# Altium PCB bms_afe_tester-1_0.PcbDoc (part 2 of 4)
Units mm, origin at the board's own origin, x right, y up, seen from the top; angles counter-clockwise.
Board outline 400 x 85 mm, 4 copper layers (L1, L2, L3, L4), stack 1.586 mm thick; 576 components, 326 nets, 1526 pads, 396 vias.
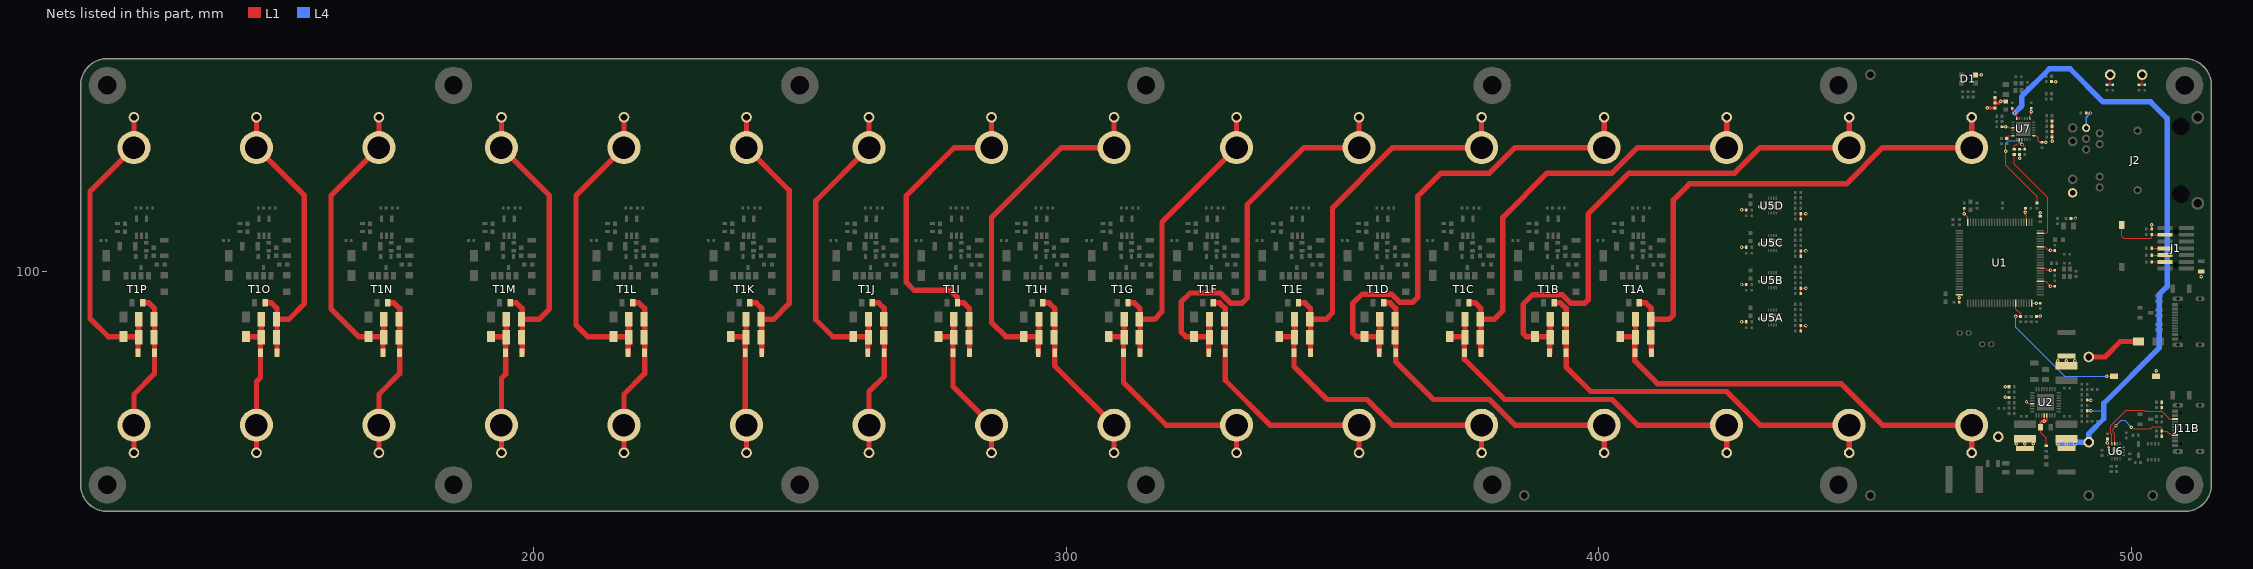
[diagram p4: the nets of this part, all layers, seen from the top]

## Components (designator, comment, footprint, x,y, rotation, side; value= is the part's Value field where it differs from the comment) (continued)
TP13 "RH-5001" TP_RH-5001 378,129 r0 top
TP14 "RH-5000" TP_RH-5000 355,129 r0 top
TP15 "RH-5001" TP_RH-5001 355,66 r0 top
TP16 "RH-5000" TP_RH-5000 332,66 r0 top
TP17 "RH-5001" TP_RH-5001 332,129 r0 top
TP18 "RH-5000" TP_RH-5000 309,129 r0 top
TP19 "RH-5001" TP_RH-5001 309,66 r0 top
TP20 "RH-5000" TP_RH-5000 286,66 r0 top
TP21 "RH-5001" TP_RH-5001 286,129 r0 top
TP22 "RH-5000" TP_RH-5000 263,129 r0 top
TP23 "RH-5001" TP_RH-5001 263,66 r0 top
TP24 "RH-5000" TP_RH-5000 240,66 r0 top
TP25 "RH-5001" TP_RH-5001 240,129 r0 top
TP26 "RH-5000" TP_RH-5000 217,129 r0 top
TP27 "RH-5001" TP_RH-5001 217,66 r0 top
TP28 "RH-5000" TP_RH-5000 194,66 r0 top
TP29 "RH-5001" TP_RH-5001 194,129 r0 top
TP30 "RH-5000" TP_RH-5000 171,129 r0 top
TP31 "RH-5001" TP_RH-5001 171,66 r0 top
TP32 "RH-5000" TP_RH-5000 148,66 r0 top
TP33 "RH-5000" TP_RH-5000 492,84 r0 top
TP34 "RH-5001" TP_RH-5001 148,129 r0 top
TP35 "RH-5000" TP_RH-5000 475,69 r0 top
TP36 "RH-5000" TP_RH-5000 125,129 r0 top
TP37 "RH-5000" TP_RH-5000 492,68 r0 top
TP38 "RH-5001" TP_RH-5001 125,66 r0 top
TP39 "RH-5001" TP_RH-5001 504,58 r0 top
TP41 "RH-5001" TP_RH-5001 451,58 r0 top
TP43 "RH-5001" TP_RH-5001 386,58 r0 top
TP45 "RH-5001" TP_RH-5001 451,137 r0 top
TP62 "" TP_GRABBY 468.6,88.5 r180 top
TP63 "" TP_GRABBY 472.8,86.4 r180 top
U1 "STM32F427VGT6" 100TQFP14 475.3,101.7 r180 top
U2 "TPS65263QRHBRQ1" TI_RHB 483.875,75.5 r0 top
U3A "GP82410" 5SOT23 407.425,108.366 r90 top (schematic designator U3)
U3B "GP82410" 5SOT23 391.425,108.366 r90 top (schematic designator U3)
U3C "GP82410" 5SOT23 375.425,108.366 r90 top (schematic designator U3)
U3D "GP82410" 5SOT23 359.425,108.366 r90 top (schematic designator U3)
U3E "GP82410" 5SOT23 343.425,108.366 r90 top (schematic designator U3)
U3F "GP82410" 5SOT23 327.425,108.366 r90 top (schematic designator U3)
U3G "GP82410" 5SOT23 311.425,108.366 r90 top (schematic designator U3)
U3H "GP82410" 5SOT23 295.425,108.366 r90 top (schematic designator U3)
U3I "GP82410" 5SOT23 279.425,108.366 r90 top (schematic designator U3)
U3J "GP82410" 5SOT23 263.425,108.366 r90 top (schematic designator U3)
U3K "GP82410" 5SOT23 240.425,108.366 r90 top (schematic designator U3)
U3L "GP82410" 5SOT23 218.425,108.366 r90 top (schematic designator U3)
U3M "GP82410" 5SOT23 195.425,108.366 r90 top (schematic designator U3)
U3N "GP82410" 5SOT23 172.425,108.366 r90 top (schematic designator U3)
U3O "GP82410" 5SOT23 149.425,108.366 r90 top (schematic designator U3)
U3P "GP82410" 5SOT23 126.425,108.366 r90 top (schematic designator U3)
U5A "DAC43204RTER" QFN50P300X300X90-16N 432.6,91.4 r90 top (schematic designator U5)
U5B "DAC43204RTER" QFN50P300X300X90-16N 432.6,98.4 r90 top (schematic designator U5)
U5C "DAC43204RTER" QFN50P300X300X90-16N 432.6,105.4 r90 top (schematic designator U5)
U5D "DAC43204RTER" QFN50P300X300X90-16N 432.6,112.4 r90 top (schematic designator U5)
U6 "HUSB238A-BB001-QN16R" QFN50P300X300X90-16N 497.1,66.3 r270 top
U7 "LAN8742AI-CZ-TR" 24QFN4E 479.7,126.8 r270 top
X1 "XTAL_XRCGB25M000F3A00R0" 4_SMD_2.0X1.6MM 487.9,99.8 r270 top
X3 "XTAL_XRCGB25M000F3A00R0" 4_SMD_2.0X1.6MM 478.8,134.7 r270 top

## Footprints (in the part's own frame and the unit in brackets; to place one, negate y for a bottom-side part, rotate by r counter-clockwise, add the part's x,y. Pads: shape width x height; smd on the part's side, far side on the other; paste and mask are expansions set on the pad)
3SOT23 [mm] "SOT23, 3-Leads, Body 3.0x2.6mm (max), Pitch 1.01mm, IPC High Density"
  rect 0.95x0.6 smd: 1(-1.025,0.95) 2(-1.025,-0.95) 3(1.025,0)
  silkscreen extent -1.17,-1.5 0.7,1.73, body extent -1.25,-1.5 1.25,1.5, height 1.01
4_SMD_2.0X1.6MM [mm]
  rect 0.9x0.8 smd: 1(-0.7,-0.55) 2(0.7,-0.55) 3(0.7,0.55) 4(-0.7,0.55)
  silkscreen extent -1.43,-1.13 -1.37,-1.07, body extent -1,-0.8 1,0.8, height 0.4
5SOT23 [mm] "SOT23, 5-Leads, Body 2.9x2.8mm (max), Pitch 0.95mm, IPC High Density"
  rect 1.22x0.62 smd: 1(-1.61,0.95) 2(-1.61,0) 3(-1.61,-0.95) 4(1.61,-0.95) 5(1.61,0.95)
  silkscreen extent -1.27,-1.45 0.76,1.75, body extent -1.5,-1.5 1.5,1.5, height 1.46
24QFN4E [mm] "QFN, 24-Leads, Body 4.1x4.1mm (max), Pitch 0.50mm, IPC High Density"
  oval 0.6x0.25 smd: 1(-1.95,1.25) 2(-1.95,0.75) 3(-1.95,0.25) 4(-1.95,-0.25) 5(-1.95,-0.75) 6(-1.95,-1.25) 13(1.95,-1.25) 14(1.95,-0.75) 15(1.95,-0.25) 16(1.95,0.25) 17(1.95,0.75) 18(1.95,1.25)
  oval 0.25x0.6 smd: 7(-1.25,-1.95) 8(-0.75,-1.95) 9(-0.25,-1.95) 10(0.25,-1.95) 11(0.75,-1.95) 12(1.25,-1.95) 19(1.25,1.95) 20(0.75,1.95) 21(0.25,1.95) 22(-0.25,1.95) 23(-0.75,1.95) 24(-1.25,1.95)
  rect 2.7x2.7 smd: EP(0,0)
  silkscreen extent -2.52,-2.05 2.05,2.05, body extent -2,-2 2,2, height 0.9
100TQFP14 [mm] "TSQFP, 100-Leads, Body 16.0x16.0mm (max), Pitch 0.50mm, IPC High Density"
  oval 1.4x0.25 smd: 1(-7.6,6) 2(-7.6,5.5) 3(-7.6,5) 4(-7.6,4.5) 5(-7.6,4) 6(-7.6,3.5) 7(-7.6,3) 8(-7.6,2.5) 9(-7.6,2) 10(-7.6,1.5) 11(-7.6,1) 12(-7.6,0.5) 13(-7.6,0) 14(-7.6,-0.5) 15(-7.6,-1) 16(-7.6,-1.5) 17(-7.6,-2) 18(-7.6,-2.5) 19(-7.6,-3) 20(-7.6,-3.5) 21(-7.6,-4) 22(-7.6,-4.5) 23(-7.6,-5) 24(-7.6,-5.5) 25(-7.6,-6) 51(7.6,-6) 52(7.6,-5.5) 53(7.6,-5) 54(7.6,-4.5) 55(7.6,-4) 56(7.6,-3.5) 57(7.6,-3) 58(7.6,-2.5) 59(7.6,-2) 60(7.6,-1.5) 61(7.6,-1) 62(7.6,-0.5) 63(7.6,0) 64(7.6,0.5) 65(7.6,1) 66(7.6,1.5) 67(7.6,2) 68(7.6,2.5) 69(7.6,3) 70(7.6,3.5) 71(7.6,4) 72(7.6,4.5) 73(7.6,5) 74(7.6,5.5) 75(7.6,6)
  oval 0.25x1.4 smd: 26(-6,-7.6) 27(-5.5,-7.6) 28(-5,-7.6) 29(-4.5,-7.6) 30(-4,-7.6) 31(-3.5,-7.6) 32(-3,-7.6) 33(-2.5,-7.6) 34(-2,-7.6) 35(-1.5,-7.6) 36(-1,-7.6) 37(-0.5,-7.6) 38(0,-7.6) 39(0.5,-7.6) 40(1,-7.6) 41(1.5,-7.6) 42(2,-7.6) 43(2.5,-7.6) 44(3,-7.6) 45(3.5,-7.6) 46(4,-7.6) 47(4.5,-7.6) 48(5,-7.6) 49(5.5,-7.6) 50(6,-7.6) 76(6,7.6) 77(5.5,7.6) 78(5,7.6) 79(4.5,7.6) 80(4,7.6) 81(3.5,7.6) 82(3,7.6) 83(2.5,7.6) 84(2,7.6) 85(1.5,7.6) 86(1,7.6) 87(0.5,7.6) 88(0,7.6) 89(-0.5,7.6) 90(-1,7.6) 91(-1.5,7.6) 92(-2,7.6) 93(-2.5,7.6) 94(-3,7.6) 95(-3.5,7.6) 96(-4,7.6) 97(-4.5,7.6) 98(-5,7.6) 99(-5.5,7.6) 100(-6,7.6)
  silkscreen extent -7.73,-6.5 6.5,6.8, body extent -8,-8 8,8, height 1.62
BELFUSE_0826-1L1T-57-F [mil]
  rect 0x0 hole 128: 0(-250,0) 0(250,0)
  round 60 hole 35: 1(-200,-600) 2(-120,-600) 5(120,-600) 6(200,-600) 7(-240,-700) 8(-160,-700) 9(-80,-700) 10(-220,-320) 11(220,-320)
  round 70 hole 40: 12(-240,-800) 13(-140,-800) 14(140,-800) 15(240,-800)
  round 94.49 hole 62: SHLD(-317.5,125) SHLD(317.5,125)
  silkscreen extent -318,-799 318,-80, body extent -374,-858 374,457, height 587
C0402 [mm]
  rect 0.5x0.5 smd: 1(-0.5,0) 2(0.5,0)
  silkscreen extent -0.13,-0.25 0.13,0.25, body extent -0.5,-0.25 0.5,0.25, height 0.6
C0603 [mm]
  rect 0.8x0.8 smd: 1(-0.75,0) 2(0.75,0)
  silkscreen extent -0.23,-0.4 0.23,0.4, body extent -0.8,-0.4 0.8,0.4, height 1
C0805 [mm]
  rect 0.9x1.3 smd: 1(-0.95,0) 2(0.95,0)
  silkscreen extent -0.38,-0.63 0.38,0.63, body extent -1,-0.63 1,0.63, height 1.45
C1206 [mm]
  rect 0.9x1.6 smd: 1(-1.55,0) 2(1.55,0)
  silkscreen extent -0.98,-0.8 0.97,0.8, body extent -1.6,-0.8 1.6,0.8, height 1.9
C1812 [mm]
  rect 0.9x3.4 smd: 1(-2.2,0) 2(2.2,0)
  silkscreen extent -1.63,-1.6 1.63,1.6, body extent -2.25,-1.6 2.25,1.6, height 3.5
C2220 [mm]
  rect 1.35x5 smd: 1(-2.825,0) 2(2.825,0)
  silkscreen extent -2.03,-2.5 2.03,2.5, body extent -2.85,-2.5 2.85,2.5, height 2.8
CONN_USBC_TYPE-C-31-M-12 [mm] "USB 2.0 12P USB-C connector"
  oval 0.9x2 hole 0.6 slot 1.7 at 90 deg: 0(-4.325,6.29) 0(4.325,6.29)
  oval 0.9x1.7 hole 0.6 slot 1.4 at 90 deg: 0(-4.325,2.11) 0(4.325,2.11)
  rect 0.6x1.14 smd: A1(-3.2,6.86) A4(-2.4,6.86) B1(3.2,6.86) B4(2.4,6.86)
  rect 0.3x1.14 smd: A5(-1.25,6.86) A6(-0.25,6.86) A7(0.25,6.86) A8(1.25,6.86) B5(1.75,6.86) B6(0.75,6.86) B7(-0.75,6.86) B8(-1.75,6.86)
  round 0 hole 0.6: GP(-2.89,5.79) GP(2.89,5.79)
  silkscreen extent -4.5,3.3 4.5,7.8, body extent -4.47,-0.46 4.47,7.44, height 3.22
DIODES_POWERDI3333-8 [mm]
  rect 0.42x0.7 smd: 1(-0.975,-1.5) 2(-0.325,-1.5) 3(0.325,-1.5) 4(0.975,-1.5) 5(0.975,1.5) 6(0.325,1.5) 7(-0.325,1.5) 8(-0.975,1.5)
  L1 region: -1.185,-0.4 1.185,-0.4 1.185,1.31 -1.185,1.31
  silkscreen extent -1.65,-2.02 1.65,1.65, body extent -1.65,-1.65 1.65,1.65, height 0.82
FB0402 [mm]
  rect 0.55x0.55 smd: 1(-0.45,0) 2(0.45,0)
  silkscreen extent -0.05,-0.28 0.05,0.28, body extent -0.5,-0.25 0.5,0.25, height 0.65
FB0805 [mm]
  rect 0.81x1.4 smd: 1(-0.85,0) 2(0.85,0)
  silkscreen extent -0.33,-0.63 0.32,0.63, body extent -1,-0.63 1,0.63, height 1.1
HOLE_M3 [mm]
  round 7 hole 3.4: 1(0,0)
LED_0603P_YELLOW [mm]
  rect 0.8x0.85 smd: 1(-0.7,0) 2(0.7,0)
  silkscreen extent -1.4,-0.33 0.1,0.33, body extent -0.81,-0.4 0.81,0.4, height 0.6
LED_RGB_SMD3528-4P [mm]
  rect 0.9x0.9 smd mask+0.102: 1(1.35,-0.75) 2(-1.35,-0.75) 3(1.35,0.75) 4(-1.35,0.75)
  silkscreen extent -1.6,-1.6 2.3,1.6, body extent -1.6,-1.6 1.6,1.6, height 1.9
PULSE_PH9585 [mm]
  rect 1.4x1 smd: 1(-2.525,2.1) 2(-2.525,0.7) 3(-2.525,-0.7) 4(-2.525,-2.1) 5(2.525,-1) 6(2.525,1)
  silkscreen extent -3.7,-3.12 3.1,3.12, body extent -3.18,-3.12 3.18,3.12, height 3.66
QFN50P300X300X90-16N [mm]
  rect 0.6x0.25 smd paste+0 mask+0: 1(-1.4,0.75) 2(-1.4,0.25) 3(-1.4,-0.25) 4(-1.4,-0.75) 9(1.4,-0.75) 10(1.4,-0.25) 11(1.4,0.25) 12(1.4,0.75)
  rect 0.25x0.6 smd paste+0 mask+0: 5(-0.75,-1.4) 6(-0.25,-1.4) 7(0.25,-1.4) 8(0.75,-1.4) 13(0.75,1.4) 14(0.25,1.4) 15(-0.25,1.4) 16(-0.75,1.4)
  rect 1.45x1.45 smd paste-1000 mask+0: EP(0,0)
  silkscreen extent -1.9,-1.5 1.5,1.9, body extent -1.5,-1.5 1.5,1.5, height 0.9
R0402 [mm]
  rect 0.5x0.6 smd: 1(-0.5,0) 2(0.5,0)
  silkscreen extent -0.13,-0.25 0.13,0.25, body extent -0.5,-0.25 0.5,0.25, height 0.5
R0603 [mm]
  rect 0.6x0.9 smd: 1(-0.75,0) 2(0.75,0)
  silkscreen extent -0.33,-0.4 0.32,0.4, body extent -0.77,-0.4 0.77,0.4, height 0.75
R0805 [mm]
  rect 0.7x1.3 smd: 1(-0.95,0) 2(0.95,0)
  silkscreen extent -0.48,-0.62 0.48,0.63, body extent -1,-0.63 1,0.63, height 0.75
R1206 [mm]
  rect 0.9x1.6 smd: 1(-1.45,0) 2(1.45,0)
  silkscreen extent -0.88,-0.8 0.87,0.8, body extent -1.55,-0.8 1.55,0.8, height 1
SAMTEC_FTSH-107-01-L-DV-K-A [mil]
  rect 0x0 hole 40 unplated mask+4: 0(-125,0) 0(125,0)
  rect 29x110 smd mask+4: 1(-150,-80) 2(-150,80) 3(-100,-80) 4(-100,80) 5(-50,-80) 6(-50,80) 7(0,-80) 8(0,80) 9(50,-80) 10(50,80) 11(100,-80) 12(100,80) 13(150,-80) 14(150,80)
  silkscreen extent -201,-106 177,59, body extent -175,-115 175,115, height 242
SMA [mm] "Molded Diode, 2-Leads, Body 4.3x2.6mm, IPC High Density"
  rect 2.1x1.45 smd: 1(-1.85,0) 2(1.85,0)
  silkscreen extent -2.3,-1.5 3.07,1.5, body extent -2.6,-1.3 2.6,1.3, height 2.4
SMD-4.1x4.1x2.0 [mm]
  rect 1.4x4.1 smd mask+0.102: 1(-1.35,0) 2(1.35,0)
  silkscreen extent -0.5,-2 0.5,2, body extent -2,-2 2,2, height 2
SMTSO-M2-10ET [mm]
  round 6.2 smd: 1(0,0)
  round 5 hole 4.22: 1(0,0)
  body extent -2.78,-2.76 2.78,2.78, height 10.01
SOD123W [mm]
  rect 1.2x1.4 smd: 1(-1.55,0) 2(1.55,0)
  silkscreen extent -1.4,-0.9 2.4,0.9, body extent -1.91,-0.95 1.91,0.95, height 1.17
SOD323 [mm] "Molded Diode, 2-Leads, Body 1.7x1.3mm, IPC High Density"
  rect 1.06x0.54 smd: 1(1.07,0) 2(-1.07,0)
  silkscreen extent -1.31,-0.75 0.9,0.75, body extent -1.35,-0.67 1.35,0.68, height 0.78
SWITCH_TS-1092S-B3D2-G [mm]
  rect 1.5x1 smd: 1(-3.95,0) 2(3.95,0)
  silkscreen extent -3.05,-1.8 3.05,1.8, body extent -3.95,-1.8 3.95,1.8, height 2.5
TANT_3.5MMX2.8MMX1.9MM [mm] "Molded Capacitor, 2-Leads, Body 3.50x2.80mm, IPC High Density"
  rect 1.35x2.7 smd: 1(-1.425,0) 2(1.425,0)
  silkscreen extent -2.4,-1.4 0.5,1.4, body extent -1.75,-1.4 1.75,1.4, height 1.9
TI_RHB [mm]
  oval 0.85x0.27 smd paste+0 mask+0.05: 1(-2.475,1.75) 2(-2.475,1.25) 3(-2.475,0.75) 4(-2.475,0.25) 5(-2.475,-0.25) 6(-2.475,-0.75) 7(-2.475,-1.25) 8(-2.475,-1.75) 17(2.475,-1.75) 18(2.475,-1.25) 19(2.475,-0.75) 20(2.475,-0.25) 21(2.475,0.25) 22(2.475,0.75) 23(2.475,1.25) 24(2.475,1.75)
  oval 0.27x0.85 smd paste+0 mask+0.05: 9(-1.75,-2.475) 10(-1.25,-2.475) 11(-0.75,-2.475) 12(-0.25,-2.475) 13(0.25,-2.475) 14(0.75,-2.475) 15(1.25,-2.475) 16(1.75,-2.475) 25(1.75,2.475) 26(1.25,2.475) 27(0.75,2.475) 28(0.25,2.475) 29(-0.25,2.475) 30(-0.75,2.475) 31(-1.25,2.475) 32(-1.75,2.475)
  rect 3.15x3.15 smd paste-100 mask+0.05: EP(0,0)
  silkscreen extent -2.7,-2.7 2.7,2.7, body extent -2.65,-2.65 2.66,2.66, height 1
TP_GRABBY [mm]
  rrect100% 1.2x1 hole 0.65 slot 0.9 at 0 deg mask+0.102: 1(-0.856,0) 1(0.844,0)
  silkscreen extent -1.65,-0.69 1.62,0.69
TP_RH-5000 [mm]
  round 2 hole 1.25: 1(0,0)
  silkscreen extent -1.25,-1.25 1.25,1.25, body extent -1.24,-1.25 1.24,1.25, height 4.59
TP_RH-5001 [mm]
  round 2 hole 1.25: 1(0,0)
  silkscreen extent -1.25,-1.25 1.25,1.25, body extent -1.24,-1.25 1.24,1.25, height 4.59
TP_RH-5002 [mm]
  round 2 hole 1.25: 1(0,0)
  silkscreen extent -1.25,-1.25 1.25,1.25, body extent -1.24,-1.25 1.24,1.25, height 4.59

## Part data
C1 C2 C43A C43B C43C C43D: Capacitance=2.2u, Dielectric=X7R, Manufacturer="Murata Electronics", Package=0603, Voltage Rating=6.3V, ComponentLink1Description=Datasheet, ComponentLink1URL=https://wmsc.lcsc.com/wmsc/upload/file/pdf/v2/lcsc/1810311130_Murata-Electronics-GCM188R70J225KE22D_C126582.pdf, Manufacturer Part Number=GCM188R70J225KE22D, Supplier 2=LCSC, Supplier Part Number 2=C126582
C3 C11: Capacitance=10n, Dielectric=X7R, Manufacturer="Samsung Electro-Mechanics", Package=0402, Voltage Rating=50V, ComponentLink1Description=Datasheet, ComponentLink1URL=https://wmsc.lcsc.com/wmsc/upload/file/pdf/v2/lcsc/2304140030_Samsung-Electro-Mechanics-CL05B103KB5NNNC_C15195.pdf, Manufacturer Part Number=CL05B103KB5NNNC, Supplier 2=LCSC, Supplier Part Number 2=C15195
C4 C5 C6 C7 C8 C9 C10 C19 C24 C26 C30 C32 C36 C42A C42B C42C C42D C44 C45 C46 C49 C50 C54A C54B C54C C54D C54E C54F C54G C54H C54I C54J C54K C54L C54M C54N C54O C54P C56: Capacitance=100n, Dielectric=X7R, Manufacturer="Samsung Electro-Mechanics", Package=0402, Voltage Rating=50V, ComponentLink1Description=Datasheet, ComponentLink1URL=https://wmsc.lcsc.com/wmsc/upload/file/pdf/v2/lcsc/2304140030_Samsung-Electro-Mechanics-CL05B104KB54PNC_C307331.pdf, Manufacturer Part Number=CL05B104KB54PNC, Supplier 2=LCSC, Supplier Part Number 2=C307331
C12 C41A C41B C41C C41D C41E C41F C41G C41H C41I C41J C41K C41L C41M C41N C41O C41P C47 C55A C55B C55C C55D C55E C55F C55G C55H C55I C55J C55K C55L C55M C55N C55O C55P: Capacitance=1u, Dielectric=X7R, Manufacturer="Samsung Electro-Mechanics", Package=0603, Voltage Rating=25V, ComponentLink1Description=Datasheet, ComponentLink1URL=https://wmsc.lcsc.com/wmsc/upload/file/pdf/v2/lcsc/2304140030_Samsung-Electro-Mechanics-CL10B105KA8NNNC_C29936.pdf, Manufacturer Part Number=CL10B105KA8NNNC, Supplier 2=LCSC, Supplier Part Number 2=C29936
C13 C48: Capacitance=10u, Dielectric=X7R, Manufacturer=YAGEO, Package=0805, Voltage Rating=6.3V, ComponentLink1Description=Datasheet, ComponentLink1URL=https://wmsc.lcsc.com/wmsc/upload/file/pdf/v2/lcsc/2409272300_YAGEO-CC0805KKX7R5BB106_C527225.pdf, Manufacturer Part Number=CC0805KKX7R5BB106, Supplier 2=LCSC, Supplier Part Number 2=C527225
C14 C51: Capacitance=27p, Dielectric=NP0, Manufacturer=YAGEO, Package=0402, Voltage Rating=50V, ComponentLink1Description=Datasheet, ComponentLink1URL=https://wmsc.lcsc.com/wmsc/upload/file/pdf/v2/lcsc/2304140030_YAGEO-CC0402JRNPO9BN270_C107002.pdf, Manufacturer Part Number=CC0402JRNPO9BN270, Supplier 2=LCSC, Supplier Part Number 2=C107002
C15 C16 C52 C53: Capacitance=6p, Dielectric=NP0, Manufacturer=YAGEO, Package=0402, Voltage Rating=50V, ComponentLink1Description=Datasheet, ComponentLink1URL=https://wmsc.lcsc.com/wmsc/upload/file/pdf/v2/lcsc/2007101237_YAGEO-CC0402CRNPO9BN6R0_C700515.pdf, Manufacturer Part Number=CC0402CRNPO9BN6R0, Supplier 2=LCSC, Supplier Part Number 2=C700515
C20 C27: Capacitance=4.7u, Dielectric=X7R, Manufacturer="Samsung Electro-Mechanics", Package=0805, Voltage Rating=25V, ComponentLink1Description=Datasheet, ComponentLink1URL=https://wmsc.lcsc.com/wmsc/upload/file/pdf/v2/lcsc/2304140030_Samsung-Electro-Mechanics-CL21B475KAFNNNE_C98195.pdf, Manufacturer Part Number=CL21B475KAFNNNE, Supplier 2=LCSC, Supplier Part Number 2=C98195
C21 C80A C80B: Capacitance=10u, Dielectric=X7R, Manufacturer="Samsung Electro-Mechanics", Package=1206, Voltage Rating=50V, ComponentLink1Description=Datasheet, ComponentLink1URL=https://wmsc.lcsc.com/wmsc/upload/file/pdf/v2/lcsc/1810221111_Samsung-Electro-Mechanics-CL31B106KBHNNNE_C89632.pdf, Manufacturer Part Number=CL31B106KBHNNNE, Supplier 2=LCSC, Supplier Part Number 2=C89632
C22 C28 C31: Capacitance=33u, Dielectric=X7R, Manufacturer=TDK, Package=1812, Voltage Rating=16V, ComponentLink1Description=Datasheet, ComponentLink1URL=https://wmsc.lcsc.com/wmsc/upload/file/pdf/v2/lcsc/2304140030_TDK-C4532X7R1C336MT000N_C342604.pdf, Manufacturer Part Number=C4532X7R1C336MT000N, Supplier 2=LCSC, Supplier Part Number 2=C342604
C23: Capacitance=47u, Dielectric=X7R, Manufacturer=TDK, Package=2220, Voltage Rating=16V, ComponentLink1Description=Datasheet, ComponentLink1URL=https://wmsc.lcsc.com/wmsc/upload/file/pdf/v2/lcsc/2409301933_TDK-CGA9N3X7R1C476MT0Y0N_C342293.pdf, Manufacturer Part Number=CGA9N3X7R1C476MT0Y0N, Supplier 2=LCSC, Supplier Part Number 2=C342293
C25 C29 C33: Capacitance=2.2n, Dielectric=C0G, Manufacturer="Murata Electronics", Package=0402, Voltage Rating=50V, ComponentLink1Description=Datasheet, ComponentLink1URL=https://wmsc.lcsc.com/wmsc/upload/file/pdf/v2/lcsc/2206211730_Murata-Electronics-GRM1555C1H222GA01D_C2987940.pdf, Manufacturer Part Number=GRM1555C1H222GA01D, Supplier 2=LCSC, Supplier Part Number 2=C2987940
C34A C34B C35A C35B: Capacitance=330p, Dielectric=C0G, Manufacturer="Samsung Electro-Mechanics", Package=0402, Voltage Rating=50V, ComponentLink1Description=Datasheet, ComponentLink1URL=https://wmsc.lcsc.com/wmsc/upload/file/pdf/v2/lcsc/2304140030_Samsung-Electro-Mechanics-CL05C331JB5NNNC_C13533.pdf, Manufacturer Part Number=CL05C331JB5NNNC, Supplier 2=LCSC, Supplier Part Number 2=C13533
C37A C37B C37C C37D C37E C37F C37G C37H C37I C37J C37K C37L C37M C37N C37O C37P C39A C39B C39C C39D C39E C39F C39G C39H C39I C39J C39K C39L C39M C39N C39O C39P: library part CAP_TANT_47UF_10V_TAJB476M010RNJ, "47 µF Molded Tantalum Capacitors 10 V 1411 (3528 Metric), 1210 1Ohm", Capacitance="47 µF", Manufacturer="KYOCERA AVX", Supplier Part Number 1=478-3891-1-ND, Voltage=10V, ComponentLink1Description=Datasheet, ComponentLink1URL=https://industrial.panasonic.com/cdbs/www-data/pdf/RDD0000/ABA0000C1234.pdf, Manufacturer Part Number=TAJB476M010RNJ, Supplier 1=Digikey, Supplier 2=LCSC, Supplier Part Number 2=C8021
C38A C38B C38C C38D C38E C38F C38G C38H C38I C38J C38K C38L C38M C38N C38O C38P: Capacitance=10n, Dielectric=C0G, Manufacturer=TDK, Package=0603, Voltage Rating=100V, ComponentLink1Description=Datasheet, ComponentLink1URL=https://wmsc.lcsc.com/wmsc/upload/file/pdf/v2/lcsc/2304140030_TDK-CGA3EAC0G2A103JT000E_C342796.pdf, Manufacturer Part Number=CGA3EAC0G2A103JT000E, Supplier 2=LCSC, Supplier Part Number 2=C342796
C40A C40B C40C C40D C40E C40F C40G C40H C40I C40J C40K C40L C40M C40N C40O C40P: Capacitance=10u, Dielectric=X7R, Manufacturer="Samsung Electro-Mechanics", Package=1206, Voltage Rating=16V, ComponentLink1Description=Datasheet, ComponentLink1URL=https://wmsc.lcsc.com/wmsc/upload/file/pdf/v2/lcsc/2304140030_Samsung-Electro-Mechanics-CL31B106KOHNNNE_C47971.pdf, Manufacturer Part Number=CL31B106KOHNNNE, Supplier 2=LCSC, Supplier Part Number 2=C47971
D1: library part LED_RGB_XL-3528RGBW-HM, "LED Multi-Color Chip Red/Green/Blue 621nm/525nm/468nm 25mA/15mA/15mA 4-Pin PLCC T/R", Manufacturer=XINGLIGHT, Supplier Part Number 1=5962-XL-3528RGBW-HMTR-ND, ComponentLink1Description=Datasheet, ComponentLink1URL=https://mm.digikey.com/Volume0/opasdata/d220001/medias/docus/8903/XL-3528RGBW-HM.pdf, Manufacturer Part Number=XL-3528RGBW-HM, Supplier 1=Digikey, Supplier 2=LCSC, Supplier Part Number 2=C2843813
D2 D4A D4B D4C D4D D4E D4F D4G D4H D4I D4J D4K D4L D4M D4N D4O D4P D7A D7B D7C D7D D7E D7F D7G D7H D7I D7J D7K D7L D7M D7N D7O D7P: library part SCHOTTKY_B340A-13-F, "Rectifier Diode, Schottky, 1 Phase, 1 Element, 3A, 40V V(RRM), Silicon", Manufacturer=Diodes, Supplier Part Number 1=B340A-FDICT-ND, ComponentLink1Description=Datasheet, ComponentLink1URL=https://www.diodes.com/assets/Datasheets/ds30891.pdf, Manufacturer Part Number=B340A-13-F, Supplier 1=Digikey, Supplier 2=LCSC, Supplier Part Number 2=C85098
D3A D3B D3C D3D D3E D3F D3G D3H D3I D3J D3K D3L D3M D3N D3O D3P: library part SCHOTTKY_100V_PMEG10010ELR-QX, "DIODE SCHOTTKY 100V 1A SOD123W", Current="1 A", Manufacturer=Nexperia, Supplier Part Number 1=1727-PMEG10010ELR-QXCT-ND, Voltage="100 V", ComponentLink1Description=Datasheet, ComponentLink1URL=https://assets.nexperia.com/documents/data-sheet/PMEG10010ELR-Q.pdf, Manufacturer Part Number=PMEG10010ELR-QX, Supplier 1=Digikey, Supplier 2=LCSC, Supplier Part Number 2=C5361358
D6: library part LED_0603_YELLOW_LTST-C190YKT, "LED YELLOW CLEAR 0603 SMD", Manufacturer="Lite-On Inc", Supplier Part Number 1=160-1184-1-ND, ComponentLink1Description=Datasheet, ComponentLink1URL=https://mm.digikey.com/Volume0/opasdata/d220001/medias/docus/1176/LTST-C190YKT.pdf, Manufacturer Part Number=LTST-C190YKT, Supplier 1=Digikey, Supplier 2=LCSC, Supplier Part Number 2=C125097
D9: library part ZENER_MM3Z15VC, "DIODE ZENER 15V 200MW SOD", Manufacturer=onsemi, Supplier Part Number 1=MM3Z15VCCT-ND, Voltage - Zener (Nom) (Vz)="15 V", ComponentLink1Description=Datasheet, ComponentLink1URL=https://www.onsemi.com/pdf/datasheet/mm3z9v1c-d.pdf, Manufacturer Part Number=MM3Z15VC, Supplier 1=Digikey, Supplier 2=LCSC, Supplier Part Number 2=C891582
D17A D17B: library part TVS_PESD2USB3UX-T, "DIODE ESD USB SOT-23", Manufacturer="Nexperia USA Inc.", Supplier Part Number 1=1727-PESD2USB3UX-CT-ND, ComponentLink1Description=Datasheet, ComponentLink1URL=https://assets.nexperia.com/documents/data-sheet/PESD2USB3UX-T.pdf, Manufacturer Part Number=PESD2USB3UX, Supplier 1=Digikey, Supplier 2=LCSC, Supplier Part Number 2=C3708426
FB1 FB3: Current Rating (mA)=900, Manufacturer="Murata Electronics", Package=0402, ComponentLink1Description=Datasheet, ComponentLink1URL=https://wmsc.lcsc.com/wmsc/upload/file/pdf/v2/lcsc/2304140030_Murata-Electronics-BLM15PX601SN1D_C160977.pdf, DCR (mOhms)=230, Manufacturer Part Number=BLM15PX601SN1D, Supplier 2=LCSC, Supplier Part Number 2=C160977, Z @ 100 MHz=600
FB2: Current Rating (mA)=1500, Manufacturer=TDK, Package=0805, ComponentLink1Description=Datasheet, ComponentLink1URL=https://wmsc.lcsc.com/wmsc/upload/file/pdf/v2/lcsc/2304140030_TDK-MPZ2012S102AT000_C76817.pdf, DCR (mOhms)=150, Manufacturer Part Number=MPZ2012S102AT000, Supplier 2=LCSC, Supplier Part Number 2=C76817, Z @ 100 MHz=1000
H1 H2 H3 H4 H5 H6 H7 H8 H9 H10 H11 H12 H13 H14 H15 H16 H17 H18 H19 H20 H21 H22 H23 H24 H25 H26 H27 H28 H29 H30 H31 H32: library part STANDOFF_SMTSO-M2-10ET, "Standoff M2 x 0.4, electro-Plated Tin, ASTM B545, Class A with Clear Preservative Coating, Annealed, Internal, ASME B1.13M, 6H", Manufacturer 1=PennEngineering, Supplier Part Number 1=153-SMTSO-M2-10ET, ComponentLink1Description=Catalog, ComponentLink1URL=https://www.pemnet.com/wp-content/uploads/sites/2/2022/06/kdata.pdf, Manufacturer Part Number=SMTSO-M2-10ET, Supplier 1=Mouser, Supplier 2=LCSC, Supplier Part Number 2=C2928171
J1: library part CONN_14POS_50MIL_ST_CORTEX_DEBUG_VCP, "Connector Header Surface Mount 14 position 0.050\" (1.27mm)", Manufacturer=Samtec, Supplier Part Number 1=FTSH-107-01-L-DV-K-A-ND, ComponentLink2Description=Datasheet, ComponentLink2URL=https://mm.digikey.com/Volume0/opasdata/d220001/medias/docus/6209/ftsh-1xx-xx-xxx-dv-xxx-xxx-x-xx-mkt.pdf, Manufacturer Part Number=FTSH-107-01-L-DV-K-A, Supplier 1=Digikey, Supplier 2=LCSC, Supplier Part Number 2=C5563894
J2: library part CONN_BELFUSE_ETHERNET_0826-1L1T-57-F, "CONN MAGJACK 1PORT 100 BASE-T", Manufacturer="Bel Fuse Inc", Supplier Part Number 1=507-1431-ND, ComponentLink1Description=Datasheet, ComponentLink1URL=https://www.belfuse.com/resources/drawings/magneticsolutions/dr-mag-0826-1l1t-57-f.pdf, Manufacturer Part Number=0826-1L1T-57-F, Supplier 1=Digikey, Supplier 2=LCSC, Supplier Part Number 2=C3179913
J11A J11B: library part CONN_USBC_TYPE-C-31-M-12, "5A 1 16P Female Type-C SMD USB Connectors ROHS", Manufacturer="HRO Electronics", Supplier Part Number 1=C165948, ComponentLink1Description="Product page", ComponentLink1URL=https://en.krhro.com/Product-Details/726.html, ComponentLink2Description=Drawing, ComponentLink2URL=https://omo-oss-file.thefastfile.com/portal-saas/new2023011311465142457/cms/file/95f41c83-14fa-41cb-9f86-8d6a717317e5.pdf, Manufacturer Part Number=TYPE-C-31-M-12, Supplier 1=LCSC
L1 L2 L3: library part IND_4.7UH_FTC404020S4R7MGCA, "5A 4.7uH 6.3A 58mΩ ±20% SMD,4.1x4.1mm Fixed Inductors RoHS", Current=5A, Manufacturer=cjiang, ComponentLink1Description=Datasheet, ComponentLink1URL=https://www.lcsc.com/datasheet/C39676072.pdf, Manufacturer Part Number=FTC404020S4R7MGCA, Supplier 2=LCSC, Supplier Part Number 2=C39676072
Q1A Q1B Q1C Q1D Q1E Q1F Q1G Q1H Q1I Q1J Q1K Q1L Q1M Q1N Q1O Q1P: library part NFET_60V_IRLML0060TRPBF, "N-Channel 60 V 2.7A (Ta) 1.25W (Ta) Surface Mount Micro3™/SOT-23", Manufacturer="Infineon Technologies", Supplier Part Number 1=IRLML0060TRPBFCT-ND, ComponentLink1Description=Datasheet, ComponentLink1URL=https://www.infineon.com/assets/row/public/documents/24/49/infineon-irlml0060-ds-en.pdf, Manufacturer Part Number=IRLML0060TRPBF, Supplier 1=Digikey, Supplier 2=LCSC, Supplier Part Number 2=C67274